# KiCad board ardumower mega shield svn.kicad_pcb (continued)
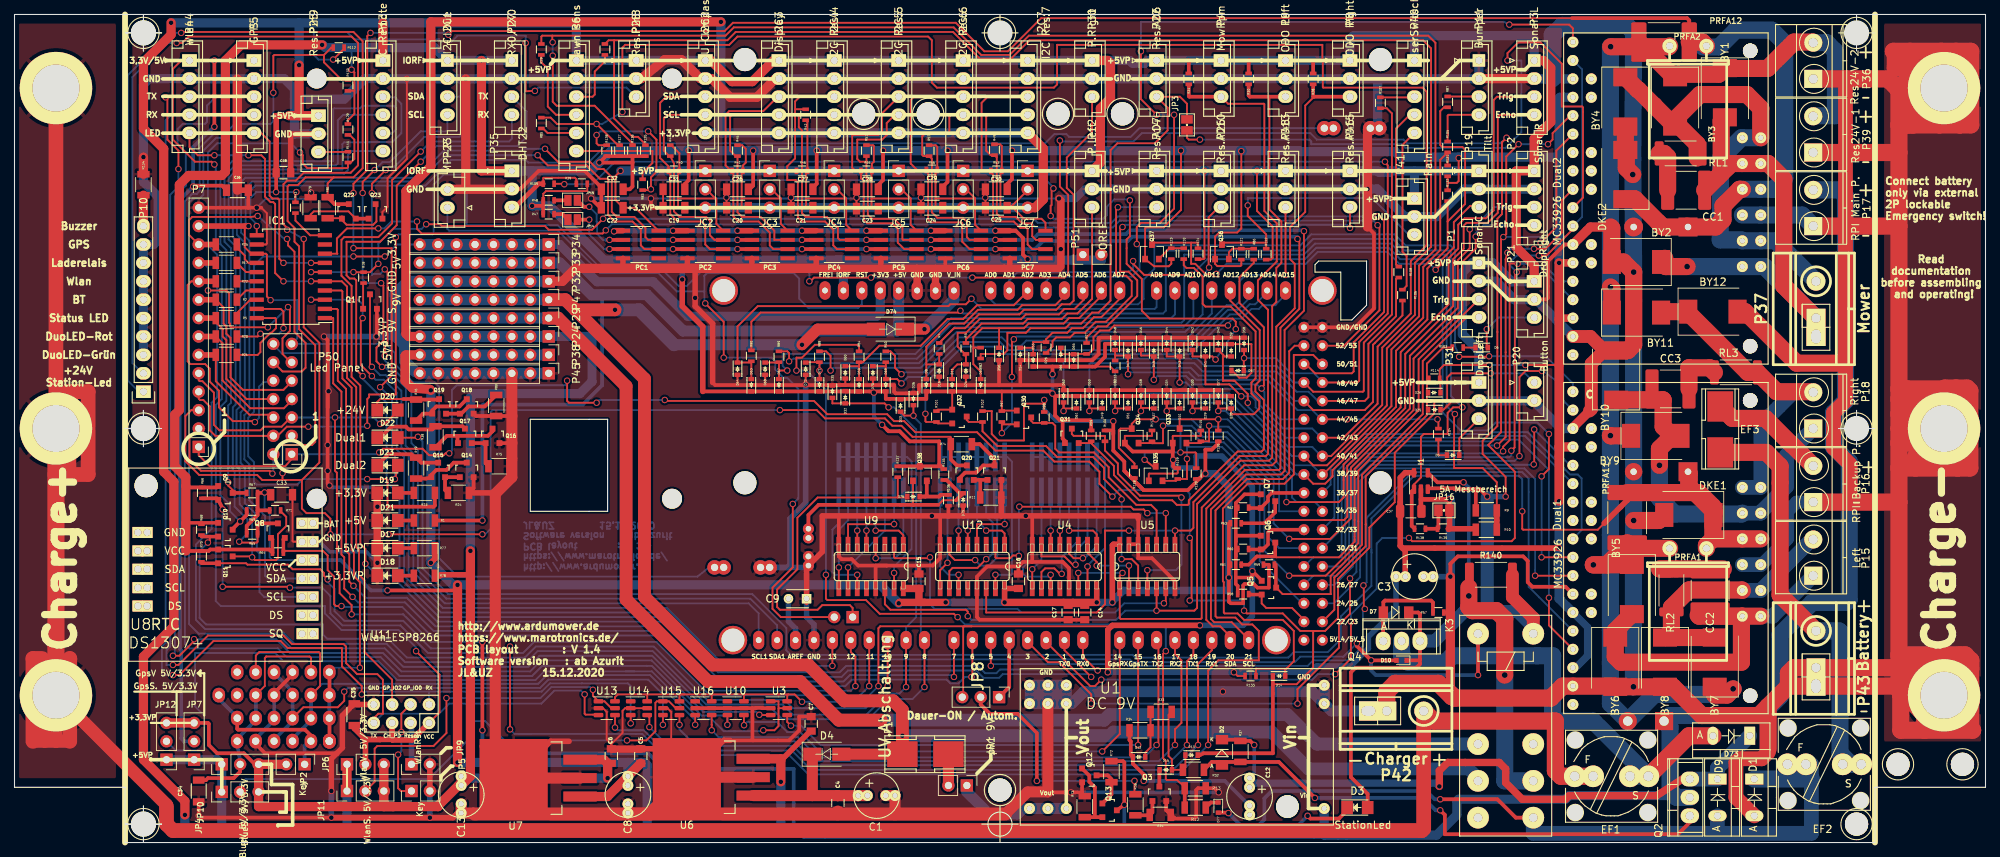
[diagram p0: board, top side]
## Library data of the parts (continued)
R70 R71 = -: Bauform: Value; Bestelllink: https://www.reichelt.de/smd-widerstand-0603-10-kohm-100-mw-1--rnd-0603-1-10k-p183077.html?GROUPID=7968&SEARCH=0603%2B10k&&r=1; Bestellnummer: R: RND 0603 1 10K; Bestücken (Assemble): JA (YES); Dateiname Blatt: LShifter7.kicad_sch; Funktion: SMD-Widerstand, 0603, 10 kOhm, 100 mW, 1%; Gehäuseart: 0603; Hersteller: Value; Hersteller Bestellnummer: Value; Reichelt-Bestellnummer: R: RND 0603 1 10K; Schaltplanname: LShifter7; Technische Daten: SMD-Widerstand, 0603, 10 kOhm, 100 mW, 1%
R72 = -: Bauform: Value; Bestelllink: https://www.reichelt.de/de/en/smd-resistor-1206-8-2-kohm-125-mw-1--rnd-1206-1-8-2k-p183393.html?GROUPID=7974&SEARCH=rnd%2B1206%2B1%2B8%252C2k&&r=1; Bestellnummer: R: RND 1206 1 8,2K; Bestücken (Assemble): JA (YES); Dateiname Blatt: Stationsled.kicad_sch; Funktion: SMD Resistor 1206, 8.2 kOhm, 125 mW, 1%; Gehäuseart: 1206; Hersteller: Value; Hersteller Bestellnummer: Value; Reichelt-Bestellnummer: R: RND 1206 1 8,2K; Schaltplanname: Stationsled; Technische Daten: SMD Resistor 1206, 8.2 kOhm, 125 mW, 1%
R73 = -: Bauform: Value; Bestelllink: https://www.reichelt.de/de/en/smd-resistor-1206-68-ohm-125-mw-1--rnd-1206-1-68-p183346.html?GROUPID=7973&SEARCH=rnd%2B1206%2B1%2B68%252C0&&r=1; Bestellnummer: R: RND 1206 1 68; Bestücken (Assemble): JA (YES); Dateiname Blatt: Stationsled.kicad_sch; Funktion: SMD Resistor 1206, 68 Ohm, 125 mW, 1%; Gehäuseart: 1206; Hersteller: Value; Hersteller Bestellnummer: Value; Reichelt-Bestellnummer: R: RND 1206 1 68; Schaltplanname: Stationsled; Technische Daten: SMD Resistor 1206, 68 Ohm, 125 mW, 1%
R82-R86 = -: Bauform: Value; Bestelllink: https://www.reichelt.de/de/de/smd-widerstand-0603-300-ohm-100-mw-1--rnd-0603-1-300-p183023.html?CCOUNTRY=445&LANGUAGE=en&GROUPID=8396&START=0&OFFSET=16&SID=955b4a034933909340c437e93ecc2bf22b30aa64692ea0f9ce4f6&LANGUAGE=DE&&r=1; Bestellnummer: R: RND 0603 1 300; Bestücken (Assemble): JA (YES); Dateiname Blatt: Arduino_Mega.kicad_sch; Funktion: SMD-Widerstand, 0603, 300 Ohm, 100 mW, 1%; Gehäuseart: 0603; Reichelt-Bestellnummer: R: RND 0603 1 300; Schaltplanname: Arduino_Mega; Technische Daten: SMD-Widerstand, 0603, 300 Ohm, 100 mW, 1%
R97 R98 = -: Bauform: Value; Bestelllink: https://www.reichelt.de/smd-widerstand-0603-10-kohm-100-mw-1--rnd-0603-1-10k-p183077.html?GROUPID=7968&SEARCH=0603%2B10k&&r=1; Bestellnummer: R: RND 0603 1 10K; Bestücken (Assemble): JA (YES); Dateiname Blatt: LShifter8.kicad_sch; Funktion: SMD-Widerstand, 0603, 10 kOhm, 100 mW, 1%; Gehäuseart: 0603; Hersteller: Value; Hersteller Bestellnummer: Value; Reichelt-Bestellnummer: R: RND 0603 1 10K; Schaltplanname: LShifter8; Technische Daten: SMD-Widerstand, 0603, 10 kOhm, 100 mW, 1%
R99 R100 = -: Bauform: Value; Bestelllink: https://www.reichelt.de/smd-widerstand-0603-10-kohm-100-mw-1--rnd-0603-1-10k-p183077.html?GROUPID=7968&SEARCH=0603%2B10k&&r=1; Bestellnummer: R: RND 0603 1 10K; Bestücken (Assemble): JA (YES); Dateiname Blatt: LShifter9.kicad_sch; Funktion: SMD-Widerstand, 0603, 10 kOhm, 100 mW, 1%; Gehäuseart: 0603; Hersteller: Value; Hersteller Bestellnummer: Value; Reichelt-Bestellnummer: R: RND 0603 1 10K; Schaltplanname: LShifter9; Technische Daten: SMD-Widerstand, 0603, 10 kOhm, 100 mW, 1%
R101 R102 = -: Bauform: Value; Bestelllink: https://www.reichelt.de/smd-widerstand-0603-10-kohm-100-mw-1--rnd-0603-1-10k-p183077.html?GROUPID=7968&SEARCH=0603%2B10k&&r=1; Bestellnummer: R: RND 0603 1 10K; Bestücken (Assemble): JA (YES); Dateiname Blatt: LShifter10.kicad_sch; Funktion: SMD-Widerstand, 0603, 10 kOhm, 100 mW, 1%; Gehäuseart: 0603; Hersteller: Value; Hersteller Bestellnummer: Value; Reichelt-Bestellnummer: R: RND 0603 1 10K; Schaltplanname: LShifter10; Technische Daten: SMD-Widerstand, 0603, 10 kOhm, 100 mW, 1%
R113 R114 R131-R133 = -: Bauform: Value; Bestelllink: https://www.reichelt.de/smd-widerstand-0603-10-kohm-100-mw-1--rnd-0603-1-10k-p183077.html?GROUPID=7968&SEARCH=0603%2B10k&&r=1; Bestellnummer: R: RND 0603 1 10K; Bestücken (Assemble): JA (YES); Dateiname Blatt: Arduino_Mega.kicad_sch; Funktion: SMD-Widerstand, 0603, 10 kOhm, 100 mW, 1%; Gehäuseart: 0603; Hersteller: Value; Hersteller Bestellnummer: Value; Reichelt-Bestellnummer: R: RND 0603 1 10K; Schaltplanname: Arduino_Mega; Technische Daten: SMD-Widerstand, 0603, 10 kOhm, 100 mW, 1%
R115 R116 = -: Bauform: Value; Bestelllink: https://www.reichelt.de/smd-widerstand-0603-10-kohm-100-mw-1--rnd-0603-1-10k-p183077.html?GROUPID=7968&SEARCH=0603%2B10k&&r=1; Bestellnummer: R: RND 0603 1 10K; Bestücken (Assemble): JA (YES); Dateiname Blatt: LShifter11.kicad_sch; Funktion: SMD-Widerstand, 0603, 10 kOhm, 100 mW, 1%; Gehäuseart: 0603; Hersteller: Value; Hersteller Bestellnummer: Value; Reichelt-Bestellnummer: R: RND 0603 1 10K; Schaltplanname: LShifter11; Technische Daten: SMD-Widerstand, 0603, 10 kOhm, 100 mW, 1%
R117 R118 = -: Bauform: Value; Bestelllink: https://www.reichelt.de/smd-widerstand-0603-10-kohm-100-mw-1--rnd-0603-1-10k-p183077.html?GROUPID=7968&SEARCH=0603%2B10k&&r=1; Bestellnummer: R: RND 0603 1 10K; Bestücken (Assemble): JA (YES); Dateiname Blatt: LShifter12.kicad_sch; Funktion: SMD-Widerstand, 0603, 10 kOhm, 100 mW, 1%; Gehäuseart: 0603; Hersteller: Value; Hersteller Bestellnummer: Value; Reichelt-Bestellnummer: R: RND 0603 1 10K; Schaltplanname: LShifter12; Technische Daten: SMD-Widerstand, 0603, 10 kOhm, 100 mW, 1%
R119 R120 = -: Bauform: Value; Bestelllink: https://www.reichelt.de/smd-widerstand-0603-10-kohm-100-mw-1--rnd-0603-1-10k-p183077.html?GROUPID=7968&SEARCH=0603%2B10k&&r=1; Bestellnummer: R: RND 0603 1 10K; Bestücken (Assemble): JA (YES); Dateiname Blatt: LShifter13.kicad_sch; Funktion: SMD-Widerstand, 0603, 10 kOhm, 100 mW, 1%; Gehäuseart: 0603; Hersteller: Value; Hersteller Bestellnummer: Value; Reichelt-Bestellnummer: R: RND 0603 1 10K; Schaltplanname: LShifter13; Technische Daten: SMD-Widerstand, 0603, 10 kOhm, 100 mW, 1%
R121 R122 = -: Bauform: Value; Bestelllink: https://www.reichelt.de/smd-widerstand-0603-10-kohm-100-mw-1--rnd-0603-1-10k-p183077.html?GROUPID=7968&SEARCH=0603%2B10k&&r=1; Bestellnummer: R: RND 0603 1 10K; Bestücken (Assemble): JA (YES); Dateiname Blatt: LShifter14.kicad_sch; Funktion: SMD-Widerstand, 0603, 10 kOhm, 100 mW, 1%; Gehäuseart: 0603; Hersteller: Value; Hersteller Bestellnummer: Value; Reichelt-Bestellnummer: R: RND 0603 1 10K; Schaltplanname: LShifter14; Technische Daten: SMD-Widerstand, 0603, 10 kOhm, 100 mW, 1%
R123 R124 = -: Bauform: Value; Bestelllink: https://www.reichelt.de/smd-widerstand-0603-10-kohm-100-mw-1--rnd-0603-1-10k-p183077.html?GROUPID=7968&SEARCH=0603%2B10k&&r=1; Bestellnummer: R: RND 0603 1 10K; Bestücken (Assemble): JA (YES); Dateiname Blatt: LShifter15.kicad_sch; Funktion: SMD-Widerstand, 0603, 10 kOhm, 100 mW, 1%; Gehäuseart: 0603; Hersteller: Value; Hersteller Bestellnummer: Value; Reichelt-Bestellnummer: R: RND 0603 1 10K; Schaltplanname: LShifter15; Technische Daten: SMD-Widerstand, 0603, 10 kOhm, 100 mW, 1%
R125-R130 SHIELD1 = -: Bauform: Value; Bestelllink: Value; Bestellnummer: Value; Bestücken (Assemble): NEIN (NO); Dateiname Blatt: Arduino_Mega.kicad_sch; Funktion: Value; Gehäuseart: Value; Hersteller: Value; Hersteller Bestellnummer: Value; Schaltplanname: Arduino_Mega; Technische Daten: Value
R135 = -: Bauform: Value; Bestelllink: https://www.reichelt.de/de/en/smd-resistor-0603-56-kohm-63-mw-1--rnd-0603-1-56k-p183096.html?GROUPID=7968&SEARCH=rnd%2B0603%2B1%2B56k&&r=1; Bestellnummer: R: RND 0603 1 56K; Bestücken (Assemble): JA (YES); Dateiname Blatt: Anschlußstecker.kicad_sch; Funktion: SMD Resistor 0603, 56 kOhm, 63 mW, 1%; Gehäuseart: 0603; Hersteller: Value; Hersteller Bestellnummer: Value; Reichelt-Bestellnummer: R: RND 0603 1 56K; Schaltplanname: Anschlußstecker; Technische Daten: SMD Resistor 0603, 56 kOhm, 63 mW, 1%
R136 = -: Bauform: Value; Bestelllink: https://www.reichelt.de/de/en/smd-resistor-0603-1-0-kohm-63-mw-1--rnd-0603-1-1-0k-p183054.html?SEARCH=rnd%200603%201%201,0k&&r=1; Bestellnummer: R: RND 0603 1 1,0K; Bestücken (Assemble): JA (YES); Dateiname Blatt: Anschlußstecker.kicad_sch; Funktion: SMD Resistor 0603, 1.0 kOhm, 63 mW, 1%; Gehäuseart: 0603; Hersteller: Value; Hersteller Bestellnummer: Value; Reichelt-Bestellnummer: R: RND 0603 1 1,0K; Schaltplanname: Anschlußstecker; Technische Daten: SMD Resistor 0603, 1.0 kOhm, 63 mW, 1%
R138 R139 = -: Bauform: Value; Bestelllink: https://www.reichelt.de/smd-widerstand-0603-10-kohm-100-mw-1--rnd-0603-1-10k-p183077.html?GROUPID=7968&SEARCH=0603%2B10k&&r=1; Bestellnummer: R: RND 0603 1 10K; Bestücken (Assemble): JA (YES); Dateiname Blatt: Stromsensor_INA.kicad_sch; Funktion: SMD-Widerstand, 0603, 10 kOhm, 100 mW, 1%; Gehäuseart: 0603; Hersteller: Value; Hersteller Bestellnummer: Value; Reichelt-Bestellnummer: R: RND 0603 1 10K; Schaltplanname: Stromsensor_INA; Technische Daten: SMD-Widerstand, 0603, 10 kOhm, 100 mW, 1%
R140 = -: Bauform: Value; Bestelllink: https://www.mouser.de/ProductDetail/Bourns/CRM2512-FX-R100ELF?qs=U0WCSYU1dIe5i9wXHCBTwA%3D%3D; Bestellnummer: CRM2512-FX-R100ELF; Bestücken (Assemble): JA (YES); Dateiname Blatt: Stromsensor_INA.kicad_sch; Funktion: Widerstand SMD; 2512; 0.1Ω; 2W; ±1%; -55÷155°C; Gehäuseart: 2512; Hersteller: Value; Hersteller Bestellnummer: CRM2512-FX-R100ELF; Hersteller Nummer: CRM2512-FX-R100ELF; Mouser Datenblatt: https://www.mouser.de/datasheet/2/54/crm-1858657.pdf; Mouser Nummer: 652-CRM2512FXR100ELF; Schaltplanname: Stromsensor_INA; Technische Daten: Widerstand SMD; 2512; 0.1Ω; 2W; ±1%; -55÷155°C
RL1 = -: Bestelllink: https://www.tme.eu/en/details/wf25p-1r8-5%25/2512-smd-resistors/walsin/wf25p1r8jtl/; Bestellnummer: WF25P1R8JTL; Bestücken (Assemble): JA (YES); Dateiname Blatt: MähmotorSchutz.kicad_sch; Funktion: Widerstand SMD; 2512; 1.8Ω; 2W; ±5%; -55÷155°C; Schaltplanname: MähmotorSchutz; Technische Daten: Widerstand SMD; 2512; 1.8Ω; 2W; ±5%; -55÷155°C
RL2 = -: Bauform: SMD 2512; Bestelllink: https://www.tme.eu/en/details/wf25p-1r8-5%25/2512-smd-resistors/walsin/wf25p1r8jtl/; Bestellnummer: WF25P1R8JTL; Bestücken (Assemble): JA (YES); Dateiname Blatt: MotorLinks.kicad_sch; Funktion: Widerstand SMD; 2512; 1.8Ω; 2W; ±5%; -55÷155°C; Schaltplanname: MotorLinks; Technische Daten: Widerstand SMD; 2512; 1.8Ω; 2W; ±5%; -55÷155°C
RL3 = -: Bestelllink: https://www.tme.eu/en/details/wf25p-1r8-5%25/2512-smd-resistors/walsin/wf25p1r8jtl/; Bestellnummer: WF25P1R8JTL; Bestücken (Assemble): JA (YES); Dateiname Blatt: MotorRechts.kicad_sch; Funktion: Widerstand SMD; 2512; 1.8Ω; 2W; ±5%; -55÷155°C; Schaltplanname: MotorRechts; Technische Daten: Widerstand SMD; 2512; 1.8Ω; 2W; ±5%; -55÷155°C
S1-S3 = -: Bestelllink: https://www.conrad.de/de/p/apem-ikh0803000-dip-schalter-polzahl-8-1-st-700772.html; Bestellnummer: C: 700772 - YD; Bestücken (Assemble): NEIN (NO); Dateiname Blatt: OdoTeiler.kicad_sch; Funktion: APEM IKH0803000 DIP-Schalter Polzahl 8; Schaltplanname: OdoTeiler; Technische Daten: APEM IKH0803000 DIP-Schalter Polzahl 8
SP1 SP2 = -: Bauform: Value; Bestelllink: https://www.reichelt.de/elektromagnetischer-summer-summer-tdb-05-p35918.html?&trstct=pos_0&nbc=1; Bestellnummer: R: SUMMER TDB 05; Bestücken (Assemble): NEIN (NO); Dateiname Blatt: Leuchtdioden.kicad_sch; Funktion: Elektromagnetischer Summer; Gehäuseart: Value; Reichelt-Bestellnummer: R: SUMMER TDB 05; Schaltplanname: Leuchtdioden; Technische Daten: Elektromagnetischer Summer
U1 = -: Bestelllink: Value; Bestücken (Assemble): NEIN (NO); Dateiname Blatt: Spannungsversorgung.kicad_sch; Schaltplanname: Spannungsversorgung
U2 = -: Bauform: Value; Bestelllink: Value; Bestücken (Assemble): NEIN (NO); Dateiname Blatt: Wlan_BT_GPS.kicad_sch; Schaltplanname: Wlan_BT_GPS; Technische Daten: Value
U3 U10 U13-U16 = -: Bauform: SOT-23-6; Bestücken (Assemble): JA (YES); Dateiname Blatt: Wlan_BT_GPS.kicad_sch; Funktion: Translation - Voltage Levels; Gehäuseart: SOT-23-6; Hersteller: Texas Instruments; Hersteller Nummer: SN74LVC1T45DBVT; Mouser Datenblatt: https://www.ti.com/lit/ds/symlink/sn74lvc1t45.pdf?HQS=TI-null-null-mousermode-df-pf-null-wwe&ts=1606577431203&ref_url=https%253A%252F%252Fru.mouser.com%252F; Mouser Nummer: 595-SN74LVC1T45DBVT; Schaltplanname: Wlan_BT_GPS; Technische Daten: Translation - Voltage Levels
U4 U9 U12 = -: Bauform: Value; Bestelllink: https://www.reichelt.de/de/en/chip-ic-cd-4017-smd-4017-p18434.html?GROUPID=2925&SEARCH=4017&&r=1; Bestellnummer: R: SMD 4017; Bestücken (Assemble): JA (YES); Dateiname Blatt: OdoTeiler.kicad_sch; Funktion: CHIP-IC, CD 4017; Gehäuseart: SO-16; Hersteller: Value; Hersteller Bestellnummer: Value; Reichelt-Bestellnummer: R: SMD 4017; Schaltplanname: OdoTeiler; Technische Daten: CHIP-IC, CD 4017
U5 = -: Bauform: Value; Bestelllink: https://www.reichelt.de/de/en/chip-ic-smd-4081-p18495.html?GROUPID=2925&SEARCH=4081&&r=1; Bestellnummer: R: SMD 4081; Bestücken (Assemble): JA (YES); Dateiname Blatt: OdoTeiler.kicad_sch; Funktion: Logic IC HCF4081B; Gehäuseart: SO-14; Reichelt-Bestellnummer: R: SMD 4081; Schaltplanname: OdoTeiler; Technische Daten: Logic IC HCF4081B
U6 = -: Bestelllink: https://www.reichelt.de/de/en/ldo-voltage-regulator-5v-to-263-3-lm-2940-cs-5-0-p187697.html?GROUPID=5466&SEARCH=LM2940CS-5.0&&r=1; Bestellnummer: R: LM 2940 CS-5.0; Bestücken (Assemble): JA (YES); Dateiname Blatt: Spannungsversorgung.kicad_sch; Funktion: LDO voltage regulator 5V TO-263-3; Gehäuseart: TO-263-3; Reichelt-Bestellnummer: R: LM 2940 CS-5.0; Schaltplanname: Spannungsversorgung; Technische Daten: LDO voltage regulator 5V TO-263-3
U7 = -: Bauform: Value; Bestelllink: https://www.reichelt.de/de/en/ldo-voltage-regulator-fixed-3-3-vout-1-a-d2pak-lm-3940-is3-3-p109408.html?GROUPID=5466&SEARCH=LM3940IS-3.3&&r=1; Bestellnummer: R: LM 3940 IS3,3; Bestücken (Assemble): JA (YES); Dateiname Blatt: Spannungsversorgung.kicad_sch; Funktion: LDO voltage regulator, fixed, 3.3 Vout, 1 A, D2PAK; Gehäuseart: D²PAK; Reichelt-Bestellnummer: R: LM 3940 IS3,3; Schaltplanname: Spannungsversorgung; Technische Daten: LDO voltage regulator, fixed, 3.3 Vout, 1 A, D2PAK
U8 = -: Bauform: Value; Bestelllink: Value; Bestellnummer: Value; Bestücken (Assemble): NEIN (NO); Dateiname Blatt: I2C.kicad_sch; Funktion: Value; Gehäuseart: Value; Hersteller: Value; Hersteller Bestellnummer: Value; Schaltplanname: I2C; Technische Daten: Value; Field15: ROM
U11 = -: Bauform: Value; Bestelllink: Value; Bestellnummer: Value; Bestücken (Assemble): NEIN (NO); Dateiname Blatt: Wlan_BT_GPS.kicad_sch; Funktion: Value; Gehäuseart: Value; Hersteller: Value; Hersteller Bestellnummer: Value; Schaltplanname: Wlan_BT_GPS; Technische Daten: Value

## Footprints (pads in the part's own frame, mm; a bottom-side part is the same pattern mirrored in y, then rotated)
40xx-SO14
  rect 0.66x2.032 smd: 1(-3.81,-3.073) 2(-2.54,-3.073) 3(-1.27,-3.073) 4(0,-3.073) 5(1.27,-3.073) 6(2.54,-3.073) 7(3.81,-3.073) 8(3.81,3.073) 9(2.54,3.073) 10(1.27,3.073) 11(0,3.073) 12(-1.27,3.073) 13(-2.54,3.073) 14(-3.81,3.073)
40xx-SO16
  rect 0.66x2.032 smd: 1(-4.445,-3.073) 2(-3.175,-3.073) 3(-1.905,-3.073) 4(-0.635,-3.073) 5(0.635,-3.073) 6(1.905,-3.073) 7(3.175,-3.073) 8(4.445,-3.073) 9(4.445,3.073) 10(3.175,3.073) 11(1.905,3.073) 12(0.635,3.073) 13(-0.635,3.073) 14(-1.905,3.073) 15(-3.175,3.073) 16(-4.445,3.073)
Anschlussklemme_RM5,08-RM7,62
  rect 2.6x2.6 hole 1.9x1.3: 1(-3.81,0) 1(-3.81,0)
  rect 2.6x2.6 hole 1.3: 1(-1.27,0)
  round 2.6 hole 1.3: 2(3.81,0)
ARDUINO_MEGA_SHIELD_DUO_3D
  round 3.937 hole 3.175: (13.97,2.54) (15.24,50.8) (90.17,50.8) (96.52,2.54)
  oval 1.524x2.54 hole 0.813: 0(63.5,50.8) 1(60.96,50.8) 2(58.42,50.8) 3(55.88,50.8) 3V3(35.56,2.54) 4(53.34,50.8) 5(50.8,50.8) 5V(38.1,2.54) 6(48.26,50.8) 7(45.72,50.8) 8(41.656,50.8) 9(39.116,50.8) 10(36.576,50.8) 11(34.036,50.8) 12(31.496,50.8) 13(28.956,50.8) 14(68.58,50.8) 15(71.12,50.8) 16(73.66,50.8) 17(76.2,50.8) 18(78.74,50.8) 19(81.28,50.8) 20(83.82,50.8) 21(86.36,50.8) AD0(50.8,2.54) AD1(53.34,2.54) AD2(55.88,2.54) AD3(58.42,2.54) AD4(60.96,2.54) AD5(63.5,2.54) AD6(66.04,2.54) AD7(68.58,2.54) AD8(73.66,2.54) AD9(76.2,2.54) AD10(78.74,2.54) AD11(81.28,2.54) AD12(83.82,2.54) AD13(86.36,2.54) AD14(88.9,2.54) AD15(91.44,2.54) AREF(23.876,50.8) GND1(40.64,2.54) GND2(43.18,2.54) GND3(26.416,50.8) RST(33.02,2.54) SDA1(21.336,50.8) V_IN(45.72,2.54)
  round 1.524 hole 0.813: 5V_4(93.98,50.8) 5V_5(96.52,50.8) 22(93.98,48.26) 23(96.52,48.26) 24(93.98,45.72) 25(96.52,45.72) 26(93.98,43.18) 27(96.52,43.18) 28(93.98,40.64) 29(96.52,40.64) 30(93.98,38.1) 31(96.52,38.1) 32(93.98,35.56) 33(96.52,35.56) 34(93.98,33.02) 35(96.52,33.02) 36(93.98,30.48) 37(96.52,30.48) 38(93.98,27.94) 39(96.52,27.94) 40(93.98,25.4) 41(96.52,25.4) 42(93.98,22.86) 43(96.52,22.86) 44(93.98,20.32) 45(96.52,20.32) 46(93.98,17.78) 47(96.52,17.78) 48(93.98,15.24) 49(96.52,15.24) 50(93.98,12.7) 51(96.52,12.7) 52(93.98,10.16) 53(96.52,10.16) GND4(93.98,7.62) GND5(96.52,7.62)
  oval 1.524x2.54 hole 0.812: FREI(27.94,2.54) IORE(30.48,2.54) SCL1(18.796,50.8)
Bluetooth_Buchse_Platz_mit_Beschriftung_4_fach
  oval 1.727x2.032 hole 1.016: BRK(6.35,9.525) EN(6.35,6.35) GND(-1.27,9.525) GND(1.27,3.175) GND(1.27,6.35) GND(3.81,0) Key(-3.81,0) Key(6.35,3.175) Key(8.89,6.35) LED(-6.35,0) LED(-6.35,0) LED(-6.35,0) LED(-6.35,3.175) LED(-6.35,6.35) LED(-6.35,9.525) RXD(-3.81,3.175) RXD(-3.81,6.35) RXD(-1.27,0) RXD(3.81,9.525) TXD(-1.27,3.175) TXD(-1.27,6.35) TXD(1.27,0) TXD(1.27,9.525) VCC(-3.81,9.525) VCC(3.81,3.175) VCC(3.81,6.35) VCC(6.35,0)
Bohrloch_3,2mm
  round 3.2 hole 3.2: 1(0,0)
Bohrloch_6,5mm
  round 10 hole 6.5: 1(0,0)
BumperDuino_Bohrschablone
  round 3.2 hole 3.2 unplated: (-43.815,-29.21) (-43.815,29.21) (43.815,-29.21) (43.815,29.21)
Buzzer_12x9.5RM7.6_RM5.0
  round 2 hole 1.001: 1(-3.8,0) 1(-2.54,0) 2(2.54,0) 2(3.8,0)
C_0805
  rect 1x1.25 smd: 1(-1,0) 2(1,0)
C_1206
  rect 1x1.6 smd: 1(-1.5,0) 2(1.5,0)
C_1206_3216Metric
  rrect 1.15x1.8 smd: 1(-1.475,0) 2(1.475,0)
C_2220_5650Metric
  rrect 1.8x5.4 smd: 1(-2.55,0) 2(2.55,0)
C_Disc_D3_P2.5
  rect 1.3x1.3 hole 0.8: 1(0,0)
  round 1.3 hole 0.8: 2(2.5,0)
C_Radial_D18_L36_P7.5
  rect 2.6x2.6 hole 0.9: 1(0,0)
  round 2.4 hole 0.9: 2(7.5,0)
D_0603
  rect 0.6x0.8 smd: 1(-0.85,0) 2(0.85,0)
D_SMA_Standard
  rect 2.5x1.8 smd: 1(-2,0) 2(2,0)
D_SMC
  rect 2.5x3.3 smd: 1(-3.4,0) 2(3.4,0)
D_SOD-523
  rect 0.6x0.7 smd: 1(-0.7,0) 2(0.7,0)
DC_DC_DSN2596_mit_Bohrloch_doppelte_Lochreihe
  round 1.524 hole 0.762: 1(36.83,4.826) 1(36.83,2.286) 1(39.37,4.826) 1(39.37,2.286) 1(41.91,4.826) 1(41.91,2.286) 2(36.83,19.304) 2(39.37,19.304) 2(41.91,19.304) 3(1.27,19.304) 4(1.27,4.826) 4(1.27,2.286)
  round 3.1 hole 3.1: ~(6.34,19.04)
Diode_TO-220_Vertical
  rect 1.501x2.499 hole 1.001: 1(0,0)
  oval 1.501x2.499 hole 1.001: 2(5.08,0)
Elko_vert_11.2x6.3mm_RM2.5_RM5.0
  round 1.524 hole 0.762: 1(-1.27,0) 2(3.81,0)
  round 1.501 hole 0.8: 1(0,0) 2(2.54,0)
Fuse_2920_7451Metric_Pad2.10x5.45mm_HandSolder
  rrect 2.1x5.45 smd: 1(-3.475,0) 2(3.475,0)
Fuse_SMD
  rect 3.556x4.191 smd: 1(0,3.175) 2(0,-3.175)
Fuseholder5x20_vert_closed_Bulgin_FX0456_und_TR15_Halter
  round 3 hole 1.349: 1(-5.08,0) 1(-2.54,0) 2(2.54,0) 2(5.08,0)
  round 2.2 hole 2.2: 3(-5.004,5.004) 3(-5.004,-5.004) 3(5.004,5.004) 3(5.004,-5.004)
JST_EH_B02B-EH-A_02x2.50mm_Straight
  oval 1.71x2.032 hole 1.016: 1(0,0) 2(2.5,0)
JST_EH_B03B-EH-A_03x2.50mm_Straight
  rect 1.72x2.032 hole 1.016: 1(0,0)
  oval 1.72x2.032 hole 1.016: 2(2.5,0) 3(5,0)
JST_EH_B04B-EH-A_04x2.50mm_Straight
  rect 1.72x1.72 hole 1.016: 1(0,0)
  oval 1.72x2.032 hole 1.016: 2(2.5,0) 4(7.5,0)
  oval 1.72x2.023 hole 1.016: 3(5,0)
JST_EH_B05B-EH-A_05x2.50mm_Straight
  rect 1.72x2.032 hole 1.016: 1(0,0)
  oval 1.72x2.032 hole 1.016: 2(2.5,0) 3(5,0) 4(7.5,0) 5(10,0)
JST_EH_B06B-EH-A_06x2.50mm_Straight
  rect 1.71x2.032 hole 1.016: 1(0,0)
  oval 1.71x2.032 hole 1.016: 2(2.5,0) 3(5,0) 4(7.5,0) 5(10,0) 6(12.5,0)
LED_1206
  rect 1.598x1.801 smd: 1(-1.42,0) 2(1.42,0)
MBR1045
  rect 1.501x2.499 hole 1.001: 1(-2.54,0)
  oval 1.501x2.499 hole 1.001: 2(2.54,0)
MC_33926_31polig_mit_Bohrloch_neue_Masse_mit_zweite_Lochreihe
  round 1.524 hole 0.762: 1(5.08,37.846) 2(7.62,37.846) 3(10.16,37.846) 4(12.7,37.846) 5(15.24,37.846) 6(17.78,37.846) 7(20.32,37.846) 8(22.86,37.846) 9(25.4,37.846) 10(27.94,37.846) 11(30.48,37.846) 12(33.02,37.846) 13(35.56,37.846) 14(38.1,37.846) 15(40.64,37.846) 16(43.18,37.846) 17(45.72,37.846) 18(48.26,37.846) 19(17.272,14.478) 19(17.272,11.938) 20(20.828,14.478) 20(20.828,11.938) 21(24.384,14.478) 21(24.384,11.938) 22(27.94,14.478) 22(27.94,11.938) 23(31.496,14.478) 23(31.496,11.938) 24(35.052,14.478) 24(35.052,11.938) 25(17.78,35.306) 26(20.32,35.306) 27(27.94,35.306) 28(30.48,35.306) 29(33.02,35.306) 30(40.64,35.306) 31(43.18,35.306)
  round 2 hole 2: ~(6.287,13.399) ~(47.053,13.399)
MiniMELF_Standard
  rect 1.3x1.699 smd: 1(-1.75,0) 2(1.75,0)
Pin_Header_Straight_1x02_Pitch2.54mm
  rect 1.7x1.7 hole 1: 1(0,0)
  oval 1.7x1.7 hole 1: 2(0,-2.54)
Pin_Header_Straight_1x03_Pitch2.54mm
  rect 1.7x1.7 hole 1: 1(0,0)
  oval 1.7x1.7 hole 1: 2(0,-2.54) 3(0,-5.08)
Pin_Header_Straight_1x08_Pitch2.54mm
  rect 1.7x1.7 hole 1: 1(0,0)
  oval 1.7x1.7 hole 1: 2(0,-2.54) 3(0,-5.08) 4(0,-7.62) 5(0,-10.16) 6(0,-12.7) 7(0,-15.24) 8(0,-17.78)
Pin_Header_Straight_2x07_Pitch2.54mm
  rect 1.7x1.7 hole 1: 1(0,0)
  oval 1.7x1.7 hole 1: 2(2.54,0) 3(0,-2.54) 4(2.54,-2.54) 5(0,-5.08) 6(2.54,-5.08) 7(0,-7.62) 8(2.54,-7.62) 9(0,-10.16) 10(2.54,-10.16) 11(0,-12.7) 12(2.54,-12.7) 13(0,-15.24) 14(2.54,-15.24)
PRFA_500
  round 1.999 hole 1.016: 1(-2.54,-7.844) 2(2.54,-7.844)
R_0603
  rect 0.5x0.9 smd: 1(-0.75,0) 2(0.75,0)
R_1206
  rect 0.9x1.7 smd: 1(-1.45,0) 2(1.45,0)
R_2512_6332Metric
  rrect 1.225x3.35 smd: 1(-2.962,0) 2(2.962,0)
Raspberry_Pi_B_Bohrschablone_Rueckseite
  round 2.75 hole 2.75: (-29,24.5) (-29,-24.5) (29,24.5) (29,-24.5)
Relais_DPDT_Schrack-RT2_RM5mm_3D_Kontaktbelegung_geändert_FIN40.52.9_6V
  round 3 hole 1.199: 1(25.4,0) 3(15.24,0) 5(20.32,0) 8(0,7.62) 9(0,0) 12(20.32,7.62) 14(15.24,7.62) 16(25.4,7.62)
SJ
  rect 1.168x1.6 smd: 1(-0.762,0) 2(0.762,0)
Socket_Strip_Straight_1x02_Pitch2.54mm
  rect 1.7x1.7 hole 1: 1(0,0)
  oval 1.7x1.7 hole 1: 2(0,-2.54)
Socket_Strip_Straight_1x10_Led_Bargraph_Anzeige
  rect 1.727x2.032 hole 1.016: 1(0,0)
  oval 1.727x2.032 hole 1.016: 2(2.54,0) 3(5.08,0) 4(7.62,0) 5(10.16,0) 6(12.7,0) 7(15.24,0) 8(17.78,0) 9(20.32,0)
  oval 2.032x1.727 hole 1.016: 10(22.86,0)
Socket_Strip_Straight_1x14_Pitch2.54mm
  rect 1.7x1.7 hole 1: 1(0,0)
  oval 1.7x1.7 hole 1: 2(0,-2.54) 3(0,-5.08) 4(0,-7.62) 5(0,-10.16) 6(0,-12.7) 7(0,-15.24) 8(0,-17.78) 9(0,-20.32) 10(0,-22.86) 11(0,-25.4) 12(0,-27.94) 13(0,-30.48) 14(0,-33.02)
SOIC127P600X175-8N
  rect 1.981x0.559 smd: 1(-2.464,1.905) 2(-2.464,0.635) 3(-2.464,-0.635) 4(-2.464,-1.905) 5(2.464,-1.905) 6(2.464,-0.635) 7(2.464,0.635) 8(2.464,1.905)
SOIC-20W_7.5x12.8mm_Pitch1.27mm
  rect 1.95x0.6 smd: 1(-4.7,5.715) 2(-4.7,4.445) 3(-4.7,3.175) 4(-4.7,1.905) 5(-4.7,0.635) 6(-4.7,-0.635) 7(-4.7,-1.905) 8(-4.7,-3.175) 9(-4.7,-4.445) 10(-4.7,-5.715) 11(4.7,-5.715) 12(4.7,-4.445) 13(4.7,-3.175) 14(4.7,-1.905) 15(4.7,-0.635) 16(4.7,0.635) 17(4.7,1.905) 18(4.7,3.175) 19(4.7,4.445) 20(4.7,5.715)
SolderJumper-2_P1.3mm_Open_Pad1.0x1.5mm
  rect 1x1.5 smd: 1(-0.65,0) 2(0.65,0)
SOT-23
  rect 0.8x0.8 smd: 1(-0.95,-1.001) 2(0.95,-1.001) 3(0,0.998)
SOT-23#2
  rect 0.9x0.8 smd: 1(-1,0.95) 2(-1,-0.95) 3(1,0)
SOT-23-5
  rrect 1.325x0.6 smd: 1(-1.137,0.95) 2(-1.137,0) 3(-1.137,-0.95) 4(1.137,-0.95) 5(1.137,0.95)
SOT-23-6
  rrect 1.325x0.6 smd: 1(-1.137,0.95) 2(-1.137,0) 3(-1.137,-0.95) 4(1.137,-0.95) 5(1.137,0) 6(1.137,0.95)
SW_DIP_x8_SMD
  rect 0.66x4 smd: 1(-4.445,-2.413) 2(-3.175,-2.413) 3(-1.905,-2.413) 4(-0.635,-2.413) 5(0.635,-2.413) 6(1.905,-2.413) 7(3.175,-2.413) 8(4.445,-2.413) 9(4.445,2.413) 10(3.175,2.413) 11(1.905,2.413) 12(0.635,2.413) 13(-0.635,2.413) 14(-1.905,2.413) 15(-3.175,2.413) 16(-4.445,2.413)
TerminalBlock_Pheonix_MKDS1.5-2pol
  rect 2.5x2.5 hole 1.3: 1(0,0)
  round 2.5 hole 1.3: 2(5,0)
Tiny_RTC_DS1307_geändert_mit_Bohrloch_4Lochreihen
  rect 1.524x1.524 hole 1: 1(-12.7,-3.81) 1(-11.2,-3.81) 2(-12.7,-1.27) 2(-11.2,-1.27) 3(-12.7,1.27) 3(-11.2,1.27) 4(-12.7,3.81) 4(-11.2,3.81) 5(-12.7,6.35) 5(-11.2,6.35) 6(-12.7,8.89) 6(-11.2,8.89) 7(-12.7,11.43) 7(-11.2,11.43) 8(10.16,-2.54) 8(11.43,-2.54) 9(10.16,0) 9(11.43,0) 10(10.16,2.54) 10(11.43,2.54) 11(10.16,5.08) 11(11.43,5.08) 12(10.16,7.62) 12(11.43,7.62)
  round 3.2 hole 3.2: ~(10.3,-9)
TO-220
  oval 2.032x2.54 hole 1.143: 1(-2.54,0) 2(0,0) 3(2.54,0)
TO-263-3Lead
  rect 4.6x1.39 smd: 1(0,2.54) 2(0,0) 3(0,-2.54)
  rect 9.4x10.8 smd: 4(9.15,0)
Wlan_ESP8266_3D_mit_Pin_Beschreibung_ohne_Rahmen
  oval 1.727x1.727 hole 1.016: CH_P(-1.27,-1.27) GND(-3.81,1.27) GP_0(1.27,1.27) GP_2(-1.27,1.27) Rese(1.27,-1.27) RX(3.81,1.27) TX(-3.81,-1.27)
  round 1.727 hole 1.016: VCC(3.81,-1.27)

## Nets
